# KiCad board armory.kicad_pcb (continued)
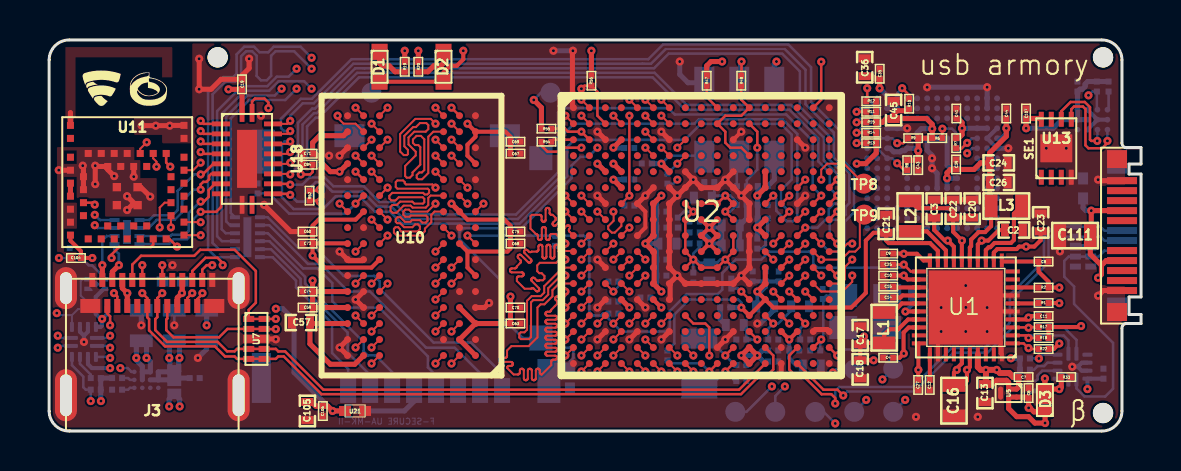
[diagram p0: board, top side]
## Routing (per net, layer and track width the routed paths; a pad name or vN(x,y) marks a point on that pad's centre or on a via; arc(x,y) is an arc through that point) (continued)
/DDR/DRAM_D0: length 28
  TOP w0.1: v1(19.33,6.58) U10.E3 ; U2.T4 v1(28.23,3.78)
  SIGNAL_1 w0.1: v1(19.33,6.58) 18.89,6.58 18.22,7.25 17.96,7.25 17.91,7.2 17.91,6.99 18.49,6.41 18.74,6.41 18.94,6.21 19.5,6.21 19.87,6.58 20.53,6.58 21.16,7.21 21.16,8.66 21.72,9.22 21.72,10.15 21.78,10.21 21.93,10.21 22.69,10.97 22.69,11.28 22.76,11.35 24.9,11.35 25.07,11.18 25.07,10.65 25.7,10.02 28.39,10.02 28.79,9.62 29.25,9.62 29.65,10.02 29.81,10.02 30.29,9.54 30.29,9.35 30.67,8.97 30.67,7.54 29.43,6.3 29.43,5.94 29.28,5.79 28.91,5.79 28.63,5.51 U2.T4 v1(28.23,3.78)
/DDR/DRAM_D1: length 28
  TOP w0.1: U10.G2 v1(20.13,8.18) ; v1(30.63,2.98) U2.U6
  SIGNAL_1 w0.1: v1(30.63,2.98) 30.27,3.34 30.27,3.94 30.49,4.16 30.72,4.16 31.21,4.65 31.45,4.65 31.79,4.99 31.79,5.54 31.57,5.76 31.57,6.36 31.99,6.78 31.99,8.01 31.47,8.53 31.47,9.35 31.25,9.57 31.25,9.72 30.56,10.42 ; 30.55,10.42 30.56,10.42 ; 30.56,10.42 30.56,10.42 29.99,10.99 28.81,10.99 28.41,11.39 27.32,11.39 27.03,11.68 27.03,11.93 26.81,12.15 21.99,12.15 21.33,11.49 21.33,11.21 21.13,11.01 18.59,11.01 18.43,10.85 18.43,10.41 18.56,10.28 19.33,10.28 19.64,9.97 19.64,9.59 19.91,9.32 19.91,8.4 v1(20.13,8.18)
/DDR/DRAM_D2: length 28
  TOP w0.1: v1(29.83,4.58) U2.T6 ; U10.F8 v1(15.33,7.38)
  SIGNAL_1 w0.1: v1(15.33,7.38) 14.27,7.38 14.11,7.22 14.11,6.56 13.73,6.18 13.73,3.6 14.21,3.12 14.58,3.12 16.27,1.44 18.8,1.44 19.45,0.79 29.74,0.79 30.23,1.28 30.23,3.08 29.91,3.4 29.69,3.4 29.41,3.68 29.41,3.99 29.83,4.41 v1(29.83,4.58)
/DDR/DRAM_D3: length 28
  TOP w0.1: U10.H3 v1(19.33,8.98) ; v1(31.43,2.98) U2.U7
  SIGNAL_1 w0.1: v1(19.33,8.98) 19.33,9.98 19.23,10.08 18.09,10.08 17.99,10.18 17.99,11.01 18.8,11.82 19.5,11.82 19.96,12.28 20.31,12.28 20.79,11.8 21.06,11.8 21.61,12.35 27.59,12.35 28.07,11.87 28.4,11.87 28.89,11.38 29.88,11.38 31.71,9.55 31.71,8.59 32.38,7.92 32.38,6.86 31.84,6.32 31.84,5.9 31.99,5.75 31.99,4.88 31.47,4.36 31.35,4.36 31.01,4.02 31.01,3.4 v1(31.43,2.98)
/DDR/DRAM_D4: length 28.2
  TOP w0.1: v1(32.23,2.98) U2.U8 ; U10.H8 v1(15.33,8.98)
  SIGNAL_1 w0.1: v1(15.33,8.98) 15.33,8.72 13.91,7.3 13.91,6.65 13.53,6.27 13.53,3.52 14.13,2.92 14.5,2.92 16.18,1.24 18.72,1.24 19.37,0.59 29.84,0.59 v1(32.23,2.98)
/DDR/DRAM_D5: length 28
  TOP w0.1: U10.H7 v1(16.93,9.78) ; U2.T8 v1(32.23,3.78)
  SIGNAL_1 w0.1: 32.41,4.76 32.41,4.84 ; 32.41,4.84 32.41,3.96 v1(32.23,3.78) ; 32.41,4.84 32.41,5.56 32.79,5.94 32.79,9.1 31.03,10.86 31.03,11.98 30.03,12.98 26.7,12.98 26.3,13.38 18.04,13.38 17.35,12.69 17.35,10.47 16.93,10.05 v1(16.93,9.78)
/DDR/DRAM_D6: length 28
  TOP w0.1: v1(29.83,3.78) U2.T5 ; U10.F2 v1(20.13,7.38)
  SIGNAL_1 w0.1: 30.43,4.98 30.23,4.79 30.23,4.31 30.08,4.16 30.08,4.03 v1(29.83,3.78) ; 30.43,4.98 30.43,4.99 ; 30.43,4.98 30.84,4.98 31.03,5.18 31.03,5.5 31.31,5.78 31.31,6.38 31.79,6.86 31.79,7.93 31.27,8.45 31.27,9.23 31.05,9.45 31.05,9.5 30.91,9.64 30.91,9.78 29.9,10.79 28.8,10.79 28.63,10.62 26.47,10.62 26.23,10.86 26.23,11.21 26.05,11.39 25.71,11.39 25.15,11.95 22.23,11.95 22.09,11.81 22.09,11.22 21.68,10.81 18.71,10.81 18.63,10.73 18.63,10.55 18.7,10.48 19.41,10.48 19.75,10.14 20.37,10.14 20.52,9.99 20.52,7.77 v1(20.13,7.38)
/DDR/DRAM_D7: length 28
  TOP w0.1: U10.F7 v1(16.13,7.38) ; v1(29.03,2.98) U2.U4
  SIGNAL_1 w0.1: v1(16.13,7.38) 15.69,6.94 15.18,6.94 15.16,6.93 15.14,6.92 15.12,6.91 15.1,6.91 15.08,6.92 15.06,6.93 15.04,6.94 15.01,6.97 14.99,6.98 14.97,6.99 14.95,7 14.93,7 14.91,6.99 14.89,6.98 14.87,6.97 14.86,6.95 14.85,6.93 14.84,6.91 14.84,6.89 14.85,6.86 14.86,6.84 14.87,6.83 14.9,6.8 14.91,6.78 14.92,6.76 14.93,6.74 14.93,6.72 14.92,6.69 14.91,6.67 14.9,6.66 14.88,6.64 14.86,6.63 14.84,6.63 14.82,6.63 14.79,6.63 14.77,6.64 14.76,6.66 14.73,6.68 14.71,6.7 14.69,6.71 14.67,6.71 14.65,6.71 14.63,6.71 14.6,6.7 14.59,6.68 14.57,6.67 14.56,6.65 14.56,6.62 14.56,6.6 14.56,6.58 14.57,6.56 14.59,6.54 14.78,6.35 14.8,6.33 14.81,6.31 14.81,6.29 14.81,6.27 14.81,6.24 14.8,6.22 14.78,6.21 14.77,6.19 14.74,6.18 14.72,6.18 14.7,6.18 14.68,6.18 14.66,6.19 14.64,6.21 14.45,6.4 14.43,6.42 14.41,6.42 14.39,6.43 14.36,6.43 14.34,6.42 14.32,6.42 14.3,6.4 14.29,6.38 14.28,6.36 14.28,6.34 14.28,6.32 14.28,6.3 14.29,6.28 14.3,6.26 14.33,6.23 14.35,6.22 14.36,6.2 14.36,6.17 14.36,6.15 14.36,6.13 14.35,6.11 14.33,6.09 14.17,5.93 14.17,5.83 14.17,5.81 14.16,5.79 14.15,5.77 14.13,5.75 14.11,5.74 14.09,5.73 14.07,5.73 14.03,5.73 14.01,5.73 13.99,5.72 13.97,5.71 13.95,5.69 13.94,5.67 13.93,5.65 13.93,5.63 13.93,5.61 13.94,5.59 13.95,5.57 13.97,5.55 13.99,5.54 14.01,5.53 14.03,5.53 14.31,5.53 14.33,5.53 14.35,5.52 14.37,5.51 14.39,5.49 14.4,5.47 14.41,5.45 14.41,5.43 14.41,5.41 14.4,5.39 14.39,5.37 14.37,5.35 14.35,5.34 14.33,5.33 14.31,5.33 14.03,5.33 14.01,5.33 13.99,5.32 13.97,5.31 13.95,5.29 13.94,5.27 13.93,5.25 13.93,5.23 13.93,5.21 13.94,5.19 13.95,5.17 13.97,5.15 13.99,5.14 14.01,5.13 14.03,5.13 14.31,5.13 14.33,5.13 14.35,5.12 14.37,5.11 14.39,5.09 14.4,5.07 14.41,5.05 14.41,5.03 14.41,5.01 14.4,4.99 14.39,4.97 14.37,4.95 14.35,4.94 14.33,4.93 14.31,4.93 14.03,4.93 14.01,4.93 13.99,4.92 13.97,4.91 13.95,4.89 13.94,4.87 13.93,4.85 13.93,4.83 13.93,4.81 13.94,4.79 13.95,4.77 13.97,4.75 13.99,4.74 14.01,4.73 14.03,4.73 14.31,4.73 14.33,4.73 14.35,4.72 14.37,4.71 14.39,4.69 14.4,4.67 14.41,4.65 14.41,4.63 14.41,4.61 14.4,4.59 14.39,4.57 14.37,4.55 14.35,4.54 14.33,4.53 14.31,4.53 14.03,4.53 14.01,4.53 13.99,4.52 13.97,4.51 13.95,4.49 13.94,4.47 13.93,4.45 13.93,4.43 13.93,4.41 13.94,4.39 13.95,4.37 13.97,4.35 13.99,4.34 14.01,4.33 14.03,4.33 14.07,4.33 14.09,4.33 14.11,4.32 14.13,4.31 14.15,4.29 14.16,4.27 14.17,4.25 14.17,4.23 14.17,3.82 14.18,3.8 14.19,3.78 14.2,3.76 14.2,3.74 14.19,3.72 14.18,3.7 14.17,3.68 14.14,3.65 14.13,3.63 14.12,3.61 14.11,3.59 14.11,3.57 14.12,3.55 14.13,3.53 14.14,3.51 14.16,3.5 14.18,3.49 14.2,3.48 14.22,3.48 14.25,3.49 14.27,3.5 14.28,3.51 14.48,3.71 14.5,3.72 14.52,3.73 14.54,3.73 14.56,3.73 14.58,3.73 14.6,3.72 14.62,3.71 14.64,3.69 14.64,3.67 14.65,3.65 14.65,3.62 14.64,3.6 14.64,3.58 14.62,3.56 14.59,3.54 14.58,3.52 14.57,3.5 14.57,3.48 14.57,3.46 14.57,3.43 14.58,3.41 14.59,3.4 16.35,1.64 18.89,1.64 19.54,0.99 28.1,0.99 29.03,1.92 v1(29.03,2.98)
/DDR/DRAM_D8: length 28
  TOP w0.1: v1(26.63,2.98) U2.U2 ; U10.D7 v1(16.13,5.78)
  SIGNAL_1 w0.1: v1(26.63,2.98) 25.79,2.98 25.07,3.7 25.07,4.12 24.8,4.39 24.38,4.39 24.1,4.11 22.29,4.11 22.16,3.98 19.06,3.98 18.82,3.74 15.99,3.74 15.72,4.01 15.72,4.4 15.4,4.72 15.38,4.74 15.37,4.76 15.37,4.78 15.37,4.8 15.37,4.83 15.38,4.85 15.4,4.86 15.42,4.89 15.44,4.91 15.45,4.93 15.45,4.95 15.45,4.97 15.45,5 15.44,5.02 15.42,5.03 15.41,5.05 15.39,5.06 15.36,5.06 15.34,5.06 15.32,5.06 15.3,5.05 15.28,5.03 15.09,4.84 15.07,4.82 15.05,4.81 15.03,4.81 15.01,4.81 14.98,4.81 14.96,4.82 14.95,4.84 14.93,4.85 14.92,4.87 14.92,4.9 14.92,4.92 14.92,4.94 14.93,4.96 14.95,4.98 15.14,5.17 15.16,5.19 15.17,5.21 15.17,5.23 15.17,5.26 15.17,5.28 15.16,5.3 15.14,5.32 15.12,5.33 15.1,5.34 15.08,5.34 15.06,5.34 15.04,5.34 15.02,5.33 15,5.32 14.8,5.12 14.79,5.11 14.77,5.1 14.74,5.09 14.72,5.09 14.7,5.1 14.68,5.11 14.66,5.12 14.65,5.14 14.64,5.16 14.63,5.18 14.63,5.2 14.64,5.22 14.65,5.24 14.66,5.26 14.69,5.29 14.7,5.31 14.71,5.33 14.72,5.35 14.72,5.37 14.71,5.39 14.7,5.41 14.69,5.43 14.69,5.74 15.13,6.18 15.44,6.18 15.53,6.27 15.55,6.28 15.57,6.29 15.59,6.3 15.61,6.3 15.63,6.29 15.65,6.28 15.67,6.27 15.7,6.24 15.72,6.23 15.74,6.22 15.76,6.21 15.78,6.21 15.8,6.22 15.82,6.23 15.84,6.24 15.85,6.26 15.86,6.28 15.87,6.3 15.87,6.32 15.86,6.35 15.85,6.37 15.84,6.38 15.71,6.52 15.7,6.53 15.69,6.54 15.69,6.55 15.69,6.56 15.69,6.57 15.7,6.58 15.71,6.59 15.78,6.66 15.79,6.67 15.8,6.67 15.81,6.67 15.82,6.67 15.83,6.67 15.84,6.67 15.86,6.65 15.87,6.65 15.88,6.64 15.89,6.64 15.9,6.65 15.91,6.65 15.92,6.66 16.06,6.8 16.21,6.8 16.23,6.8 16.25,6.79 16.27,6.78 16.29,6.76 16.3,6.74 16.31,6.72 16.31,6.7 16.31,6.66 16.31,6.64 16.32,6.62 16.33,6.6 16.35,6.58 16.37,6.57 16.39,6.56 16.41,6.56 16.43,6.56 16.45,6.57 16.47,6.58 16.49,6.6 16.5,6.62 16.51,6.64 16.51,6.66 16.51,6.94 16.51,6.96 16.52,6.98 16.53,7 16.55,7.02 16.57,7.03 16.59,7.04 16.61,7.04 16.63,7.04 16.65,7.03 16.67,7.02 16.69,7 16.7,6.98 16.71,6.96 16.71,6.94 16.71,6.66 16.71,6.64 16.72,6.62 16.73,6.6 16.75,6.58 16.77,6.57 16.79,6.56 16.81,6.56 16.83,6.56 16.85,6.57 16.87,6.58 16.89,6.6 16.9,6.62 16.91,6.64 16.91,6.66 16.91,6.8 16.92,6.8 16.92,6.89 16.92,6.92 16.93,6.94 16.94,6.95 16.95,6.97 16.97,6.98 16.99,6.99 17.01,6.99 17.02,6.99 17.04,6.99 17.06,6.98 17.08,6.97 17.1,6.95 17.11,6.94 17.11,6.92 17.12,6.87 17.13,6.85 17.14,6.84 17.15,6.82 17.17,6.81 17.19,6.8 17.21,6.8 17.41,6.8 17.5,6.71 17.52,6.69 17.54,6.68 17.56,6.68 17.59,6.68 17.61,6.68 17.63,6.69 17.65,6.71 17.67,6.73 17.69,6.75 17.71,6.76 17.73,6.76 17.75,6.76 17.78,6.76 17.8,6.75 17.81,6.73 17.83,6.72 17.84,6.7 17.84,6.67 17.84,6.65 17.84,6.63 17.83,6.61 17.81,6.59 17.62,6.4 17.6,6.38 17.59,6.36 17.59,6.34 17.59,6.31 17.59,6.29 17.6,6.27 17.62,6.25 17.64,6.24 17.66,6.23 17.68,6.23 17.7,6.23 17.72,6.23 17.74,6.24 17.76,6.25 17.96,6.45 17.97,6.46 17.99,6.47 18.02,6.48 18.04,6.48 18.06,6.47 18.08,6.46 18.1,6.45 18.11,6.43 18.12,6.41 18.13,6.39 18.13,6.37 18.12,6.35 18.11,6.33 18.1,6.31 18.07,6.28 18.06,6.26 18.05,6.24 18.04,6.22 18.04,6.2 18.05,6.18 18.06,6.16 18.07,6.14 18.29,6.14 18.43,6 18.43,5.72 18.29,5.58 17.95,5.58 17.46,6.07 17.36,6.07 17.34,6.07 17.32,6.08 17.3,6.09 17.28,6.11 17.27,6.13 17.26,6.15 17.26,6.17 17.26,6.21 17.26,6.23 17.25,6.25 17.24,6.27 17.22,6.29 17.2,6.3 17.18,6.31 17.16,6.31 17.14,6.31 17.12,6.3 17.1,6.29 17.08,6.27 17.07,6.25 17.06,6.23 17.06,6.21 17.06,5.93 17.06,5.91 17.05,5.89 17.04,5.87 17.02,5.85 17,5.84 16.98,5.83 16.96,5.83 16.94,5.83 16.92,5.84 16.9,5.85 16.88,5.87 16.87,5.89 16.86,5.91 16.86,5.93 16.86,5.97 16.86,5.99 16.85,6.01 16.84,6.03 16.82,6.05 16.8,6.06 16.78,6.07 16.76,6.07 16.42,6.07 v1(16.13,5.78)
/DDR/DRAM_D9: length 28
  TOP w0.1: U10.A7 v1(16.13,3.38) ; v1(27.43,2.98) U2.U3
  SIGNAL_1 w0.1: 27.52,3.07 v1(27.43,2.98) 27.25,3.16 27.14,3.16 26.99,3.01 26.99,2.84 26.77,2.62 25.47,2.62 25.09,3 25.07,3.02 25.05,3.03 25.03,3.03 25,3.03 24.98,3.03 24.96,3.02 24.94,3 24.88,2.94 24.86,2.92 24.84,2.91 24.82,2.91 24.79,2.91 24.77,2.91 24.75,2.92 24.73,2.94 24.72,2.95 24.71,2.97 24.71,3 24.71,3.02 24.71,3.04 24.72,3.06 24.73,3.08 24.98,3.32 24.99,3.34 25,3.36 25.01,3.38 25.01,3.4 25,3.42 24.99,3.44 24.98,3.46 24.96,3.48 24.94,3.49 24.92,3.49 24.9,3.49 24.87,3.49 24.85,3.48 24.84,3.46 24.59,3.22 24.58,3.2 24.56,3.2 24.53,3.19 24.51,3.19 24.49,3.2 24.47,3.2 24.45,3.22 24.44,3.24 24.43,3.26 24.42,3.28 24.42,3.3 24.43,3.32 24.44,3.34 24.45,3.36 24.52,3.43 24.53,3.45 24.54,3.47 24.55,3.49 24.55,3.51 24.54,3.53 24.53,3.55 24.52,3.57 24.32,3.57 24.3,3.57 24.28,3.56 24.26,3.55 24.24,3.53 24.23,3.51 24.22,3.49 24.22,3.47 24.22,3.37 24.22,3.35 24.21,3.33 24.2,3.31 24.18,3.3 24.16,3.28 24.14,3.28 24.12,3.27 24.1,3.28 24.08,3.28 24.06,3.3 24.04,3.31 24.03,3.33 24.02,3.35 24.02,3.37 24.02,3.77 24.02,3.79 24.01,3.81 24,3.83 23.98,3.84 23.96,3.86 23.94,3.86 23.92,3.87 23.9,3.86 23.88,3.86 23.86,3.84 23.84,3.83 23.83,3.81 23.82,3.79 23.82,3.77 23.82,3.37 23.82,3.35 23.81,3.33 23.8,3.31 23.78,3.3 23.76,3.28 23.74,3.28 23.72,3.27 23.7,3.28 23.68,3.28 23.66,3.3 23.64,3.31 23.63,3.33 23.62,3.35 23.62,3.37 23.62,3.47 23.62,3.49 23.61,3.51 23.6,3.53 23.58,3.55 23.56,3.56 23.54,3.57 23.52,3.57 23.4,3.45 23.21,3.45 23.19,3.45 23.17,3.46 23.15,3.47 23.13,3.49 23.12,3.51 23.11,3.53 23.11,3.55 23.11,3.65 23.11,3.67 23.1,3.69 23.09,3.71 23.07,3.72 23.05,3.74 23.03,3.74 23.01,3.75 22.99,3.74 22.97,3.74 22.95,3.72 22.93,3.71 22.92,3.69 22.91,3.67 22.91,3.65 22.91,3.25 22.91,3.23 22.9,3.21 22.89,3.19 22.87,3.18 22.85,3.16 22.83,3.16 22.81,3.15 22.79,3.16 22.77,3.16 22.75,3.18 22.73,3.19 22.72,3.21 22.71,3.23 22.71,3.25 22.71,3.65 22.71,3.67 22.7,3.69 22.69,3.71 22.67,3.72 22.65,3.74 22.63,3.74 22.61,3.75 22.59,3.74 22.57,3.74 22.55,3.72 22.53,3.71 22.52,3.69 22.51,3.67 22.51,3.65 22.51,3.25 22.51,3.23 22.5,3.21 22.49,3.19 22.47,3.18 22.45,3.16 22.43,3.16 22.41,3.15 22.39,3.16 22.37,3.16 22.35,3.18 22.33,3.19 22.32,3.21 22.31,3.23 22.31,3.25 22.31,3.65 22.31,3.67 22.3,3.69 22.29,3.71 22.27,3.72 22.25,3.74 22.23,3.74 22.21,3.75 22.19,3.74 22.17,3.74 22.15,3.72 22.13,3.71 22.12,3.69 22.11,3.67 22.11,3.65 22.11,3.25 22.11,3.23 22.1,3.21 22.09,3.19 22.07,3.18 22.05,3.16 22.03,3.16 22.01,3.15 21.99,3.16 21.97,3.16 21.95,3.18 21.93,3.19 21.92,3.21 21.91,3.23 21.91,3.25 21.91,3.65 21.91,3.67 21.9,3.69 21.89,3.71 21.87,3.72 21.85,3.74 21.83,3.74 21.81,3.75 21.79,3.74 21.77,3.74 21.75,3.72 21.73,3.71 21.72,3.69 21.71,3.67 21.71,3.65 21.71,3.25 21.71,3.23 21.7,3.21 21.69,3.19 21.67,3.18 21.65,3.16 21.63,3.16 21.61,3.15 21.59,3.16 21.57,3.16 21.55,3.18 21.53,3.19 21.52,3.21 21.51,3.23 21.51,3.25 21.51,3.65 21.51,3.67 21.5,3.69 21.49,3.71 21.47,3.72 21.45,3.74 21.43,3.74 21.41,3.75 21.39,3.74 21.37,3.74 21.35,3.72 21.33,3.71 21.32,3.69 21.31,3.67 21.31,3.65 21.31,3.25 21.31,3.23 21.3,3.21 21.29,3.19 21.27,3.18 21.25,3.16 21.23,3.16 21.21,3.15 21.19,3.16 21.17,3.16 21.15,3.18 21.13,3.19 21.12,3.21 21.11,3.23 21.11,3.25 21.11,3.65 21.11,3.67 21.1,3.69 21.09,3.71 21.07,3.72 21.05,3.74 21.03,3.74 21.01,3.75 20.99,3.74 20.97,3.74 20.95,3.72 20.93,3.71 20.92,3.69 20.91,3.67 20.91,3.65 20.91,3.25 20.91,3.23 20.9,3.21 20.89,3.19 20.87,3.18 20.85,3.16 20.83,3.16 20.81,3.15 20.79,3.16 20.77,3.16 20.75,3.18 20.73,3.19 20.72,3.21 20.71,3.23 20.71,3.25 20.71,3.34 20.31,3.74 19.92,3.74 19.89,3.74 19.87,3.73 19.86,3.72 19.84,3.7 19.83,3.68 19.82,3.66 19.82,3.62 19.81,3.6 19.8,3.58 19.78,3.56 19.76,3.55 19.74,3.55 19.72,3.54 19.69,3.55 19.67,3.55 19.66,3.56 19.64,3.58 19.63,3.6 19.62,3.62 19.62,3.66 19.61,3.68 19.6,3.7 19.58,3.72 19.56,3.73 19.54,3.74 19.52,3.74 19.18,3.74 18.97,3.53 18.97,3.23 18.87,3.13 18.66,3.13 18.64,3.13 18.62,3.14 18.6,3.15 18.58,3.17 18.57,3.19 18.56,3.21 18.56,3.23 18.56,3.33 18.56,3.35 18.55,3.37 18.54,3.39 18.52,3.4 18.5,3.42 18.48,3.42 18.46,3.43 18.44,3.42 18.42,3.42 18.4,3.4 18.38,3.39 18.37,3.37 18.36,3.35 18.36,3.33 18.36,2.93 18.36,2.91 18.35,2.89 18.34,2.87 18.32,2.86 18.3,2.84 18.28,2.84 18.26,2.83 18.24,2.84 18.22,2.84 18.2,2.86 18.18,2.87 18.17,2.89 18.16,2.91 18.16,2.93 18.16,3.33 18.16,3.35 18.15,3.37 18.14,3.39 18.12,3.4 18.1,3.42 18.08,3.42 18.06,3.43 18.04,3.42 18.02,3.42 18,3.4 17.98,3.39 17.97,3.37 17.96,3.35 17.96,3.33 17.96,2.93 17.96,2.91 17.95,2.89 17.94,2.87 17.92,2.86 17.9,2.84 17.88,2.84 17.86,2.83 17.84,2.84 17.82,2.84 17.8,2.86 17.78,2.87 17.77,2.89 17.76,2.91 17.76,2.93 17.76,3.33 17.76,3.35 17.75,3.37 17.74,3.39 17.72,3.4 17.7,3.42 17.68,3.42 17.66,3.43 17.64,3.42 17.62,3.42 17.6,3.4 17.58,3.39 17.57,3.37 17.56,3.35 17.56,3.33 17.56,2.93 17.56,2.91 17.55,2.89 17.54,2.87 17.52,2.86 17.5,2.84 17.48,2.84 17.46,2.83 17.44,2.84 17.42,2.84 17.4,2.86 17.38,2.87 17.37,2.89 17.36,2.91 17.36,2.93 17.36,3.33 17.36,3.35 17.35,3.37 17.34,3.39 17.32,3.4 17.3,3.42 17.28,3.42 17.26,3.43 17.24,3.42 17.22,3.42 17.2,3.4 17.18,3.39 17.17,3.37 17.16,3.35 17.16,3.33 17.16,2.93 17.16,2.91 17.15,2.89 17.14,2.87 17.12,2.86 17.1,2.84 17.08,2.84 17.06,2.83 17.04,2.84 17.02,2.84 17,2.86 16.98,2.87 16.97,2.89 16.96,2.91 16.96,2.93 16.96,3.33 16.96,3.35 16.95,3.37 16.94,3.39 16.92,3.4 16.9,3.42 16.88,3.42 16.86,3.43 16.84,3.42 16.82,3.42 16.8,3.4 16.78,3.39 16.77,3.37 16.76,3.35 16.76,3.33 16.76,2.93 16.76,2.91 16.75,2.89 16.74,2.87 16.72,2.86 16.7,2.84 16.68,2.84 16.66,2.83 16.64,2.84 16.62,2.84 16.6,2.86 16.58,2.87 16.57,2.89 16.56,2.91 16.56,2.93 16.56,3.03 16.56,3.05 16.55,3.07 16.54,3.09 16.52,3.11 16.5,3.12 16.48,3.13 16.46,3.13 16.38,3.13 v1(16.13,3.38)
/DDR/DRAM_D10: length 28
  TOP w0.1: U2.U5 v1(29.83,2.98) ; U10.B8 v1(15.33,4.18)
  SIGNAL_1 w0.1: v1(15.33,4.18) 15.33,3.53 15.34,3.51 15.35,3.49 15.36,3.47 15.36,3.45 15.35,3.43 15.34,3.41 15.33,3.39 15.19,3.25 15.17,3.23 15.16,3.21 15.16,3.19 15.16,3.17 15.16,3.14 15.17,3.12 15.19,3.11 15.21,3.09 15.23,3.08 15.25,3.08 15.27,3.08 15.29,3.08 15.31,3.09 15.33,3.11 15.6,3.37 15.61,3.38 15.62,3.39 15.64,3.39 15.66,3.39 15.67,3.39 15.69,3.38 15.7,3.37 15.74,3.34 15.75,3.32 15.75,3.31 15.76,3.29 15.76,3.27 15.75,3.26 15.75,3.24 15.74,3.23 15.47,2.96 15.46,2.95 15.45,2.93 15.44,2.9 15.44,2.88 15.45,2.86 15.46,2.84 15.47,2.82 15.49,2.81 15.51,2.8 15.53,2.79 15.55,2.79 15.58,2.8 15.6,2.81 15.61,2.82 15.86,3.07 15.87,3.08 15.88,3.08 15.89,3.08 15.9,3.08 15.91,3.08 15.92,3.08 15.93,3.07 16,3 16.01,2.99 16.01,2.98 16.02,2.97 16.02,2.96 16.01,2.95 16.01,2.94 16,2.93 15.75,2.68 15.74,2.66 15.73,2.64 15.73,2.62 15.73,2.6 15.73,2.58 15.74,2.56 15.75,2.54 15.77,2.53 15.79,2.52 15.81,2.51 15.84,2.51 15.86,2.52 15.88,2.53 15.9,2.54 16.21,2.86 16.23,2.87 16.25,2.88 16.27,2.89 16.3,2.89 16.32,2.88 16.34,2.87 16.36,2.86 16.37,2.84 16.38,2.82 16.38,2.8 16.38,2.78 16.38,2.75 16.37,2.73 16.36,2.72 16.32,2.68 16.31,2.66 16.3,2.64 16.29,2.62 16.29,2.6 16.3,2.58 16.31,2.56 16.32,2.54 16.49,2.37 16.51,2.37 16.53,2.36 16.55,2.35 16.57,2.33 16.58,2.31 16.59,2.29 16.59,2.27 16.59,2.07 16.59,2.05 16.6,2.03 16.61,2.01 16.63,1.99 16.65,1.98 16.67,1.97 16.69,1.97 16.71,1.97 16.73,1.98 16.75,1.99 16.77,2.01 16.78,2.03 16.79,2.05 16.79,2.07 16.79,2.57 16.79,2.59 16.8,2.61 16.81,2.63 16.83,2.65 16.85,2.66 16.87,2.67 16.89,2.67 16.91,2.67 16.93,2.66 16.95,2.65 16.97,2.63 16.98,2.61 16.99,2.59 16.99,2.57 16.99,2.07 16.99,2.05 17,2.03 17.01,2.01 17.03,1.99 17.05,1.98 17.07,1.97 17.09,1.97 17.11,1.97 17.13,1.98 17.15,1.99 17.17,2.01 17.18,2.03 17.19,2.05 17.19,2.07 17.19,2.57 17.19,2.59 17.2,2.61 17.21,2.63 17.23,2.65 17.25,2.66 17.27,2.67 17.29,2.67 17.31,2.67 17.33,2.66 17.35,2.65 17.37,2.63 17.38,2.61 17.39,2.59 17.39,2.57 17.39,2.07 17.39,2.05 17.4,2.03 17.41,2.01 17.43,1.99 17.45,1.98 17.47,1.97 17.49,1.97 17.51,1.97 17.53,1.98 17.55,1.99 17.57,2.01 17.58,2.03 17.59,2.05 17.59,2.07 17.59,2.57 17.59,2.59 17.6,2.61 17.61,2.63 17.63,2.65 17.65,2.66 17.67,2.67 17.69,2.67 17.71,2.67 17.73,2.66 17.75,2.65 17.77,2.63 17.78,2.61 17.79,2.59 17.79,2.57 17.79,2.07 17.79,2.05 17.8,2.03 17.81,2.01 17.83,1.99 17.85,1.98 17.87,1.97 17.89,1.97 17.91,1.97 17.93,1.98 17.95,1.99 17.97,2.01 17.98,2.03 17.99,2.05 17.99,2.07 17.99,2.57 17.99,2.59 18,2.61 18.01,2.63 18.03,2.65 18.05,2.66 18.07,2.67 18.09,2.67 18.11,2.67 18.13,2.66 18.15,2.65 18.17,2.63 18.18,2.61 18.19,2.59 18.19,2.57 18.19,2.47 18.19,2.45 18.2,2.43 18.21,2.41 18.23,2.39 18.25,2.38 18.27,2.37 18.29,2.37 18.44,2.37 18.51,2.3 18.52,2.28 18.53,2.26 18.54,2.24 18.54,2.22 18.53,2.2 18.52,2.18 18.51,2.16 18.37,2.02 18.36,2 18.35,1.98 18.34,1.96 18.34,1.93 18.35,1.91 18.36,1.89 18.37,1.88 18.39,1.86 18.41,1.85 18.43,1.85 18.45,1.85 18.47,1.85 18.49,1.86 18.51,1.88 18.86,2.23 18.88,2.24 18.9,2.25 18.92,2.26 18.95,2.26 18.97,2.25 18.99,2.24 19.01,2.23 19.02,2.21 19.03,2.19 19.03,2.17 19.03,2.15 19.03,2.12 19.02,2.1 19.01,2.09 18.93,2.02 18.92,2 18.91,1.98 18.91,1.96 18.91,1.93 18.91,1.91 18.92,1.89 18.93,1.88 19.62,1.19 28.02,1.19 28.67,1.84 28.67,3.12 28.89,3.34 29.47,3.34 v1(29.83,2.98) 29.83,2.84
/DDR/DRAM_D11: length 28
  TOP w0.1: v1(20.13,3.38) U10.A2 ; U2.R4 v1(28.23,4.58)
  SIGNAL_1 w0.1: v1(28.23,4.58) 28.23,4.46 27.84,4.07 27.84,3.48 27.97,3.35 27.97,3.02 27.76,2.81 27.76,2.68 27.7,2.62 27.69,2.61 27.68,2.6 27.67,2.6 27.66,2.6 27.64,2.6 27.63,2.61 27.62,2.62 27.61,2.63 27.6,2.63 27.58,2.63 27.57,2.63 27.56,2.62 27.56,2.62 27.48,2.55 27.48,2.54 27.47,2.53 27.47,2.52 27.47,2.5 27.47,2.49 27.48,2.48 27.48,2.48 27.57,2.39 27.58,2.37 27.59,2.36 27.59,2.34 27.59,2.33 27.59,2.31 27.58,2.29 27.57,2.28 27.54,2.25 27.52,2.23 27.51,2.23 27.49,2.22 27.48,2.22 27.46,2.23 27.44,2.23 27.42,2.26 27.4,2.26 27.39,2.27 27.37,2.27 27.35,2.26 27.34,2.26 27.33,2.25 27.29,2.21 27.11,2.21 27.09,2.21 27.07,2.22 27.05,2.23 27.03,2.25 27.02,2.27 27.01,2.29 27.01,2.33 27,2.35 26.99,2.37 26.97,2.39 26.95,2.4 26.93,2.41 26.91,2.41 26.89,2.41 26.87,2.4 26.85,2.39 26.83,2.37 26.82,2.35 26.81,2.33 26.81,2.31 26.81,2.11 26.81,2.09 26.8,2.07 26.79,2.05 26.77,2.03 26.75,2.02 26.73,2.01 26.71,2.01 26.69,2.01 26.67,2.02 26.65,2.03 26.63,2.05 26.62,2.07 26.61,2.09 26.61,2.11 26.61,2.31 26.61,2.33 26.6,2.35 26.59,2.37 26.57,2.39 26.55,2.4 26.53,2.41 26.51,2.41 26.49,2.41 26.47,2.4 26.45,2.39 26.43,2.37 26.42,2.35 26.41,2.33 26.41,2.31 26.41,2.11 26.41,2.09 26.4,2.07 26.39,2.05 26.37,2.03 26.35,2.02 26.33,2.01 26.31,2.01 26.29,2.01 26.27,2.02 26.25,2.03 26.23,2.05 26.22,2.07 26.21,2.09 26.21,2.11 26.21,2.31 26.21,2.33 26.2,2.35 26.19,2.37 26.17,2.39 26.15,2.4 26.13,2.41 26.11,2.41 26.09,2.41 26.07,2.4 26.05,2.39 26.03,2.37 26.02,2.35 26.01,2.33 26.01,2.31 26.01,2.11 26.01,2.09 26,2.07 25.99,2.05 25.97,2.03 25.95,2.02 25.93,2.01 25.91,2.01 25.89,2.01 25.87,2.02 25.85,2.03 25.83,2.05 25.82,2.07 25.81,2.09 25.81,2.11 25.81,2.31 25.81,2.33 25.8,2.35 25.79,2.37 25.77,2.39 25.75,2.4 25.73,2.41 25.71,2.41 25.69,2.41 25.67,2.4 25.65,2.39 25.63,2.37 25.62,2.35 25.61,2.33 25.61,2.31 25.61,2.21 25.61,2.11 25.61,2.09 25.6,2.07 25.59,2.05 25.57,2.03 25.55,2.02 25.53,2.01 25.51,2.01 25.49,2.01 25.47,2.02 25.45,2.03 25.43,2.05 25.42,2.07 25.41,2.09 25.41,2.13 25.4,2.15 25.39,2.17 25.37,2.19 25.35,2.2 25.33,2.21 25.31,2.21 25.05,2.47 24.66,2.47 24.49,2.64 24.32,2.64 24.3,2.64 24.28,2.63 24.26,2.62 24.24,2.6 24.23,2.58 24.22,2.56 24.22,2.54 24.22,2.39 24.22,2.37 24.21,2.35 24.2,2.33 24.18,2.31 24.16,2.3 24.14,2.29 24.12,2.29 24.1,2.29 24.08,2.3 24.06,2.31 24.04,2.33 24.03,2.35 24.02,2.37 24.02,2.39 24.02,2.94 24.02,2.96 24.01,2.98 24,3 23.98,3.02 23.96,3.03 23.94,3.04 23.92,3.04 23.9,3.04 23.88,3.03 23.86,3.02 23.84,3 23.83,2.98 23.82,2.96 23.82,2.94 23.82,2.39 23.82,2.37 23.81,2.35 23.8,2.33 23.78,2.31 23.76,2.3 23.74,2.29 23.72,2.29 23.7,2.29 23.68,2.3 23.66,2.31 23.64,2.33 23.63,2.35 23.62,2.37 23.62,2.39 23.62,2.94 23.62,2.96 23.61,2.98 23.6,3 23.58,3.02 23.56,3.03 23.54,3.04 23.52,3.04 23.5,3.04 23.48,3.03 23.46,3.02 23.44,3 23.43,2.98 23.42,2.96 23.42,2.94 23.42,2.39 23.42,2.37 23.41,2.35 23.4,2.33 23.38,2.31 23.36,2.3 23.34,2.29 23.32,2.29 23.3,2.29 23.28,2.3 23.26,2.31 23.24,2.33 23.23,2.35 23.22,2.37 23.22,2.39 23.22,2.94 23.22,2.96 23.21,2.98 23.2,3 23.18,3.02 23.16,3.03 23.14,3.04 23.12,3.04 23.1,3.04 23.08,3.03 23.06,3.02 23.04,3 23.03,2.98 23.02,2.96 23.02,2.94 23.02,2.39 23.02,2.37 23.01,2.35 23,2.33 22.98,2.31 22.96,2.3 22.94,2.29 22.92,2.29 22.9,2.29 22.88,2.3 22.86,2.31 22.84,2.33 22.83,2.35 22.82,2.37 22.82,2.39 22.82,2.84 22.82,2.86 22.81,2.88 22.8,2.9 22.78,2.92 22.76,2.93 22.74,2.94 22.72,2.94 22.7,2.94 22.68,2.93 22.66,2.92 22.64,2.9 22.63,2.88 22.62,2.86 22.62,2.84 22.62,2.39 22.62,2.37 22.61,2.35 22.6,2.33 22.58,2.31 22.56,2.3 22.54,2.29 22.52,2.29 22.5,2.29 22.48,2.3 22.46,2.31 22.44,2.33 22.43,2.35 22.42,2.37 22.42,2.39 22.42,2.84 22.42,2.86 22.41,2.88 22.4,2.9 22.38,2.92 22.36,2.93 22.34,2.94 22.32,2.94 22.3,2.94 22.28,2.93 22.26,2.92 22.24,2.9 22.23,2.88 22.22,2.86 22.22,2.84 22.22,2.39 22.22,2.37 22.21,2.35 22.2,2.33 22.18,2.31 22.16,2.3 22.14,2.29 22.12,2.29 22.1,2.29 22.08,2.3 22.06,2.31 22.04,2.33 22.03,2.35 22.02,2.37 22.02,2.39 22.02,2.84 22.02,2.86 22.01,2.88 22,2.9 21.98,2.92 21.96,2.93 21.94,2.94 21.92,2.94 21.9,2.94 21.88,2.93 21.86,2.92 21.84,2.9 21.83,2.88 21.82,2.86 21.82,2.84 21.82,2.39 21.82,2.37 21.81,2.35 21.8,2.33 21.78,2.31 21.76,2.3 21.74,2.29 21.72,2.29 21.7,2.29 21.68,2.3 21.66,2.31 21.64,2.33 21.63,2.35 21.62,2.37 21.62,2.39 21.62,2.84 21.62,2.86 21.61,2.88 21.6,2.9 21.58,2.92 21.56,2.93 21.54,2.94 21.52,2.94 21.5,2.94 21.48,2.93 21.46,2.92 21.44,2.9 21.43,2.88 21.42,2.86 21.42,2.84 21.42,2.39 21.42,2.37 21.41,2.35 21.4,2.33 21.38,2.31 21.36,2.3 21.34,2.29 21.32,2.29 21.3,2.29 21.28,2.3 21.26,2.31 21.24,2.33 21.23,2.35 21.22,2.37 21.22,2.39 21.22,2.84 21.22,2.86 21.21,2.88 21.2,2.9 21.18,2.92 21.16,2.93 21.14,2.94 21.12,2.94 21.1,2.94 21.08,2.93 21.06,2.92 21.04,2.9 21.03,2.88 21.02,2.86 21.02,2.84 21.02,2.39 21.02,2.37 21.01,2.35 21,2.33 20.98,2.31 20.96,2.3 20.94,2.29 20.92,2.29 20.9,2.29 20.88,2.3 20.86,2.31 20.84,2.33 20.83,2.35 20.82,2.37 20.82,2.39 20.82,2.84 20.82,2.86 20.81,2.88 20.8,2.9 20.78,2.92 20.76,2.93 20.74,2.94 20.72,2.94 20.7,2.94 20.68,2.93 20.66,2.92 20.64,2.9 20.63,2.88 20.62,2.86 20.62,2.84 20.62,2.39 20.62,2.37 20.61,2.35 20.6,2.33 20.58,2.31 20.56,2.3 20.54,2.29 20.52,2.29 20.5,2.29 20.48,2.3 20.46,2.31 20.44,2.33 20.43,2.35 20.42,2.37 20.42,2.39 20.42,2.94 20.42,2.96 20.41,2.98 20.4,3 20.38,3.02 20.36,3.03 20.34,3.04 20.32,3.04 20.3,3.04 20.28,3.03 20.26,3.02 20.24,3 20.23,2.98 20.22,2.96 20.22,2.94 20.22,2.39 20.22,2.37 20.21,2.35 20.2,2.33 20.18,2.31 20.16,2.3 20.14,2.29 20.12,2.29 20.1,2.29 20.08,2.3 20.06,2.31 20.04,2.33 20.03,2.35 20.02,2.37 20.02,2.39 20.02,2.54 20.02,2.56 20.01,2.58 20,2.6 19.98,2.62 19.96,2.63 19.94,2.64 19.92,2.64 19.71,2.85 19.71,3.15 19.94,3.38 v1(20.13,3.38)
/DDR/DRAM_D12: length 28
  TOP w0.1: v1(19.33,3.38) U10.A3 ; U2.P5 v1(29.03,5.38)
  SIGNAL_1 w0.1: v1(19.33,3.38) 19.33,3.16 19.1,2.93 19.1,2.69 19.11,2.67 19.12,2.65 19.13,2.63 19.13,2.61 19.12,2.59 19.11,2.57 19.09,2.53 19.08,2.51 19.07,2.49 19.07,2.47 19.08,2.45 19.09,2.43 19.1,2.41 19.12,2.4 19.14,2.39 19.16,2.38 19.18,2.38 19.2,2.39 19.22,2.4 19.24,2.41 19.31,2.48 19.31,2.48 19.38,2.55 19.4,2.56 19.42,2.57 19.44,2.58 19.46,2.58 19.48,2.57 19.5,2.56 19.52,2.55 19.54,2.53 19.55,2.51 19.55,2.49 19.55,2.46 19.55,2.44 19.54,2.42 19.52,2.41 19.38,2.27 19.37,2.25 19.36,2.23 19.36,2.21 19.36,2.19 19.36,2.16 19.37,2.15 19.39,2.13 19.4,2.11 19.42,2.1 19.44,2.1 19.47,2.1 19.49,2.1 19.51,2.11 19.53,2.13 19.66,2.26 19.68,2.28 19.7,2.29 19.72,2.29 19.75,2.29 19.77,2.29 19.79,2.28 19.81,2.26 19.82,2.24 19.83,2.23 19.83,2.2 19.83,2.18 19.83,2.16 19.82,2.14 19.79,2.11 19.78,2.09 19.78,2.06 19.78,2.04 19.78,2.02 19.79,2 19.81,1.98 19.98,1.81 20,1.81 20.02,1.8 20.04,1.79 20.06,1.77 20.07,1.75 20.08,1.73 20.08,1.69 20.09,1.67 20.1,1.65 20.12,1.63 20.13,1.62 20.15,1.62 20.18,1.61 20.2,1.62 20.22,1.62 20.24,1.63 20.26,1.65 20.27,1.67 20.28,1.69 20.28,1.71 20.28,1.81 20.28,1.81 20.28,1.91 20.28,1.93 20.29,1.95 20.3,1.97 20.32,1.99 20.34,2 20.36,2 20.38,2.01 20.4,2 20.42,2 20.44,1.99 20.46,1.97 20.47,1.95 20.48,1.93 20.48,1.91 20.48,1.71 20.48,1.69 20.49,1.67 20.5,1.65 20.52,1.63 20.54,1.62 20.56,1.62 20.58,1.61 20.6,1.62 20.62,1.62 20.64,1.63 20.66,1.65 20.67,1.67 20.68,1.69 20.68,1.71 20.68,1.91 20.68,1.93 20.69,1.95 20.7,1.97 20.72,1.99 20.74,2 20.76,2 20.78,2.01 20.8,2 20.82,2 20.84,1.99 20.86,1.97 20.87,1.95 20.88,1.93 20.88,1.91 20.88,1.71 20.88,1.69 20.89,1.67 20.9,1.65 20.92,1.63 20.94,1.62 20.96,1.62 20.98,1.61 21,1.62 21.02,1.62 21.04,1.63 21.06,1.65 21.07,1.67 21.08,1.69 21.08,1.71 21.08,1.91 21.08,1.93 21.09,1.95 21.1,1.97 21.12,1.99 21.14,2 21.16,2 21.18,2.01 21.2,2 21.22,2 21.24,1.99 21.26,1.97 21.27,1.95 21.28,1.93 21.28,1.91 21.28,1.71 21.28,1.69 21.29,1.67 21.3,1.65 21.32,1.63 21.34,1.62 21.36,1.62 21.38,1.61 21.4,1.62 21.42,1.62 21.44,1.63 21.46,1.65 21.47,1.67 21.48,1.69 21.48,1.71 21.48,1.91 21.48,1.93 21.49,1.95 21.5,1.97 21.52,1.99 21.54,2 21.56,2 21.58,2.01 21.6,2 21.62,2 21.64,1.99 21.66,1.97 21.67,1.95 21.68,1.93 21.68,1.91 21.68,1.71 21.68,1.69 21.69,1.67 21.7,1.65 21.72,1.63 21.74,1.62 21.76,1.62 21.78,1.61 21.8,1.62 21.82,1.62 21.84,1.63 21.86,1.65 21.87,1.67 21.88,1.69 21.88,1.71 21.88,1.91 21.88,1.93 21.89,1.95 21.9,1.97 21.92,1.99 21.94,2 21.96,2 21.98,2.01 22,2 22.02,2 22.04,1.99 22.06,1.97 22.07,1.95 22.08,1.93 22.08,1.91 22.08,1.71 22.08,1.69 22.09,1.67 22.1,1.65 22.12,1.63 22.14,1.62 22.16,1.62 22.18,1.61 22.2,1.62 22.22,1.62 22.24,1.63 22.26,1.65 22.27,1.67 22.28,1.69 22.28,1.71 22.28,1.91 22.28,1.93 22.29,1.95 22.3,1.97 22.32,1.99 22.34,2 22.36,2 22.38,2.01 22.4,2 22.42,2 22.44,1.99 22.46,1.97 22.47,1.95 22.48,1.93 22.48,1.91 22.48,1.71 22.48,1.69 22.49,1.67 22.5,1.65 22.52,1.63 22.54,1.62 22.56,1.62 22.58,1.61 22.6,1.62 22.62,1.62 22.64,1.63 22.66,1.65 22.67,1.67 22.68,1.69 22.68,1.71 22.68,1.91 22.68,1.93 22.69,1.95 22.7,1.97 22.72,1.99 22.74,2 22.76,2 22.78,2.01 22.8,2 22.82,2 22.84,1.99 22.86,1.97 22.87,1.95 22.88,1.93 22.88,1.91 22.88,1.71 22.88,1.69 22.89,1.67 22.9,1.65 22.92,1.63 22.94,1.62 22.96,1.62 22.98,1.61 23,1.62 23.02,1.62 23.04,1.63 23.06,1.65 23.07,1.67 23.08,1.69 23.08,1.71 23.08,1.91 23.08,1.93 23.09,1.95 23.1,1.97 23.12,1.99 23.14,2 23.16,2 23.18,2.01 23.2,2 23.22,2 23.24,1.99 23.26,1.97 23.27,1.95 23.28,1.93 23.28,1.91 23.28,1.71 23.28,1.69 23.29,1.67 23.3,1.65 23.32,1.63 23.34,1.62 23.36,1.62 23.38,1.61 23.4,1.62 23.42,1.62 23.44,1.63 23.46,1.65 23.47,1.67 23.48,1.69 23.48,1.71 23.48,1.91 23.48,1.93 23.49,1.95 23.5,1.97 23.52,1.99 23.54,2 23.56,2 23.58,2.01 23.6,2 23.62,2 23.64,1.99 23.66,1.97 23.67,1.95 23.68,1.93 23.68,1.91 23.68,1.71 23.68,1.69 23.69,1.67 23.7,1.65 23.72,1.63 23.74,1.62 23.76,1.62 23.78,1.61 23.8,1.62 23.82,1.62 23.84,1.63 23.86,1.65 23.87,1.67 23.88,1.69 23.88,1.71 23.88,1.91 23.88,1.93 23.89,1.95 23.9,1.97 23.92,1.99 23.94,2 23.96,2 23.98,2.01 24,2 24.02,2 24.04,1.99 24.06,1.97 24.07,1.95 24.08,1.93 24.08,1.91 24.08,1.71 24.08,1.69 24.09,1.67 24.1,1.65 24.12,1.63 24.14,1.62 24.16,1.62 24.18,1.61 24.2,1.62 24.22,1.62 24.24,1.63 24.26,1.65 24.27,1.67 24.28,1.69 24.28,1.73 24.29,1.75 24.3,1.77 24.32,1.79 24.34,1.8 24.36,1.81 24.38,1.81 24.52,1.81 24.68,1.65 24.7,1.65 24.72,1.64 24.74,1.63 24.76,1.61 24.77,1.59 24.78,1.57 24.78,1.53 24.79,1.51 24.8,1.49 24.82,1.47 24.83,1.46 24.85,1.46 24.88,1.45 24.9,1.46 24.92,1.46 24.94,1.47 24.96,1.49 24.97,1.51 24.98,1.53 24.98,1.55 24.98,1.65 24.98,1.65 24.98,1.75 24.98,1.77 24.99,1.79 25,1.81 25.02,1.83 25.04,1.84 25.06,1.84 25.08,1.85 25.1,1.84 25.12,1.84 25.14,1.83 25.16,1.81 25.17,1.79 25.18,1.77 25.18,1.75 25.18,1.55 25.18,1.53 25.19,1.51 25.2,1.49 25.22,1.47 25.24,1.46 25.26,1.46 25.28,1.45 25.3,1.46 25.32,1.46 25.34,1.47 25.36,1.49 25.37,1.51 25.38,1.53 25.38,1.55 25.38,1.72 25.38,1.74 25.39,1.76 25.4,1.77 25.41,1.78 25.42,1.79 25.44,1.79 25.45,1.8 25.51,1.8 25.52,1.79 25.54,1.79 25.55,1.78 25.56,1.77 25.57,1.76 25.58,1.74 25.58,1.72 25.58,1.55 25.58,1.53 25.59,1.51 25.6,1.49 25.62,1.47 25.64,1.46 25.66,1.46 25.68,1.45 25.7,1.46 25.72,1.46 25.74,1.47 25.76,1.49 25.77,1.51 25.78,1.53 25.78,1.55 25.78,1.72 25.78,1.74 25.79,1.76 25.8,1.77 25.81,1.78 25.82,1.79 25.84,1.79 25.85,1.8 25.91,1.8 25.92,1.79 25.94,1.79 25.95,1.78 25.96,1.77 25.97,1.76 25.98,1.74 25.98,1.72 25.98,1.55 25.98,1.53 25.99,1.51 26,1.49 26.02,1.47 26.04,1.46 26.06,1.46 26.08,1.45 26.1,1.46 26.12,1.46 26.14,1.47 26.16,1.49 26.17,1.51 26.18,1.53 26.18,1.55 26.18,1.72 26.18,1.74 26.19,1.76 26.2,1.77 26.21,1.78 26.22,1.79 26.24,1.79 26.25,1.8 26.31,1.8 26.32,1.79 26.34,1.79 26.35,1.78 26.36,1.77 26.37,1.76 26.38,1.74 26.38,1.72 26.38,1.55 26.38,1.53 26.39,1.51 26.4,1.49 26.42,1.47 26.44,1.46 26.46,1.46 26.48,1.45 26.5,1.46 26.52,1.46 26.54,1.47 26.56,1.49 26.57,1.51 26.58,1.53 26.58,1.55 26.58,1.72 26.58,1.74 26.59,1.76 26.6,1.77 26.61,1.78 26.62,1.79 26.64,1.79 26.65,1.8 26.71,1.8 26.72,1.79 26.74,1.79 26.75,1.78 26.76,1.77 26.77,1.76 26.78,1.74 26.78,1.72 26.78,1.55 26.78,1.53 26.79,1.51 26.8,1.49 26.82,1.47 26.84,1.46 26.86,1.46 26.88,1.45 26.9,1.46 26.92,1.46 26.94,1.47 26.96,1.49 26.97,1.51 26.98,1.53 26.98,1.55 26.98,1.75 26.98,1.77 26.99,1.79 27,1.81 27.02,1.83 27.04,1.84 27.06,1.84 27.08,1.85 27.1,1.84 27.12,1.84 27.14,1.83 27.16,1.81 27.17,1.79 27.18,1.77 27.18,1.73 27.19,1.71 27.2,1.69 27.22,1.67 27.24,1.66 27.26,1.65 27.28,1.65 27.53,1.65 27.55,1.66 27.57,1.67 27.59,1.68 27.61,1.68 27.63,1.67 27.65,1.66 27.69,1.64 27.71,1.63 27.73,1.62 27.75,1.62 27.77,1.63 27.79,1.64 27.81,1.65 27.82,1.67 27.83,1.69 27.84,1.71 27.84,1.73 27.83,1.75 27.82,1.77 27.81,1.79 27.74,1.86 27.74,1.86 27.67,1.93 27.66,1.95 27.65,1.97 27.64,1.99 27.64,2.01 27.65,2.03 27.66,2.05 27.67,2.07 27.69,2.09 27.71,2.1 27.73,2.1 27.76,2.1 27.78,2.1 27.8,2.09 27.81,2.07 27.95,1.93 27.97,1.92 27.99,1.91 28.01,1.91 28.03,1.91 28.06,1.91 28.07,1.92 28.09,1.94 28.11,1.95 28.12,1.97 28.12,1.99 28.12,2.02 28.12,2.04 28.11,2.06 28.09,2.08 27.96,2.21 27.94,2.23 27.93,2.25 27.93,2.27 27.93,2.3 27.93,2.32 27.94,2.34 27.96,2.36 27.98,2.37 27.99,2.38 28.02,2.38 28.04,2.38 28.06,2.38 28.08,2.37 28.11,2.34 28.13,2.33 28.16,2.33 28.18,2.33 28.2,2.33 28.22,2.34 28.24,2.36 28.31,2.43 28.31,2.58 28.31,2.6 28.32,2.61 28.33,2.63 28.34,2.64 28.35,2.65 28.37,2.65 28.4,2.66 28.42,2.66 28.43,2.67 28.44,2.68 28.45,2.69 28.45,2.71 28.46,2.73 28.46,2.78 28.45,2.8 28.45,2.81 28.44,2.83 28.43,2.84 28.42,2.85 28.4,2.85 28.38,2.85 28.31,2.85 28.26,2.86 28.25,2.86 28.24,2.86 28.23,2.87 28.22,2.87 28.21,2.88 28.21,2.89 28.21,2.91 28.21,3 28.21,3.02 28.21,3.03 28.22,3.04 28.23,3.04 28.24,3.05 28.25,3.05 28.27,3.06 28.28,3.06 28.29,3.07 28.3,3.07 28.31,3.08 28.31,3.09 28.31,3.11 28.31,3.21 28.42,3.32 28.42,3.32 28.43,3.33 28.45,3.33 28.46,3.33 28.47,3.33 28.48,3.32 28.5,3.31 28.51,3.3 28.52,3.3 28.53,3.3 28.54,3.3 28.55,3.31 28.56,3.32 28.63,3.39 28.64,3.4 28.64,3.41 28.64,3.42 28.64,3.43 28.64,3.44 28.64,3.45 28.62,3.47 28.62,3.48 28.61,3.49 28.61,3.5 28.62,3.51 28.62,3.52 28.63,3.53 28.97,3.87 28.97,4.08 29.07,4.18 29.28,4.18 29.42,4.32 29.42,4.99 v1(29.03,5.38)